# Altium PCB CATS-EUROC.PcbDoc (part 1 of 2)
Units mm, origin at the board's own origin, x right, y up, seen from the top; angles counter-clockwise.
Board outline 100 x 33 mm, 4 copper layers (Top Layer, Mid Layer 1, Mid Layer 2, Bottom Layer), stack 1.57 mm thick; 164 components, 113 nets, 632 pads, 413 vias.
Unrouted connection lines stored in the file: 41.
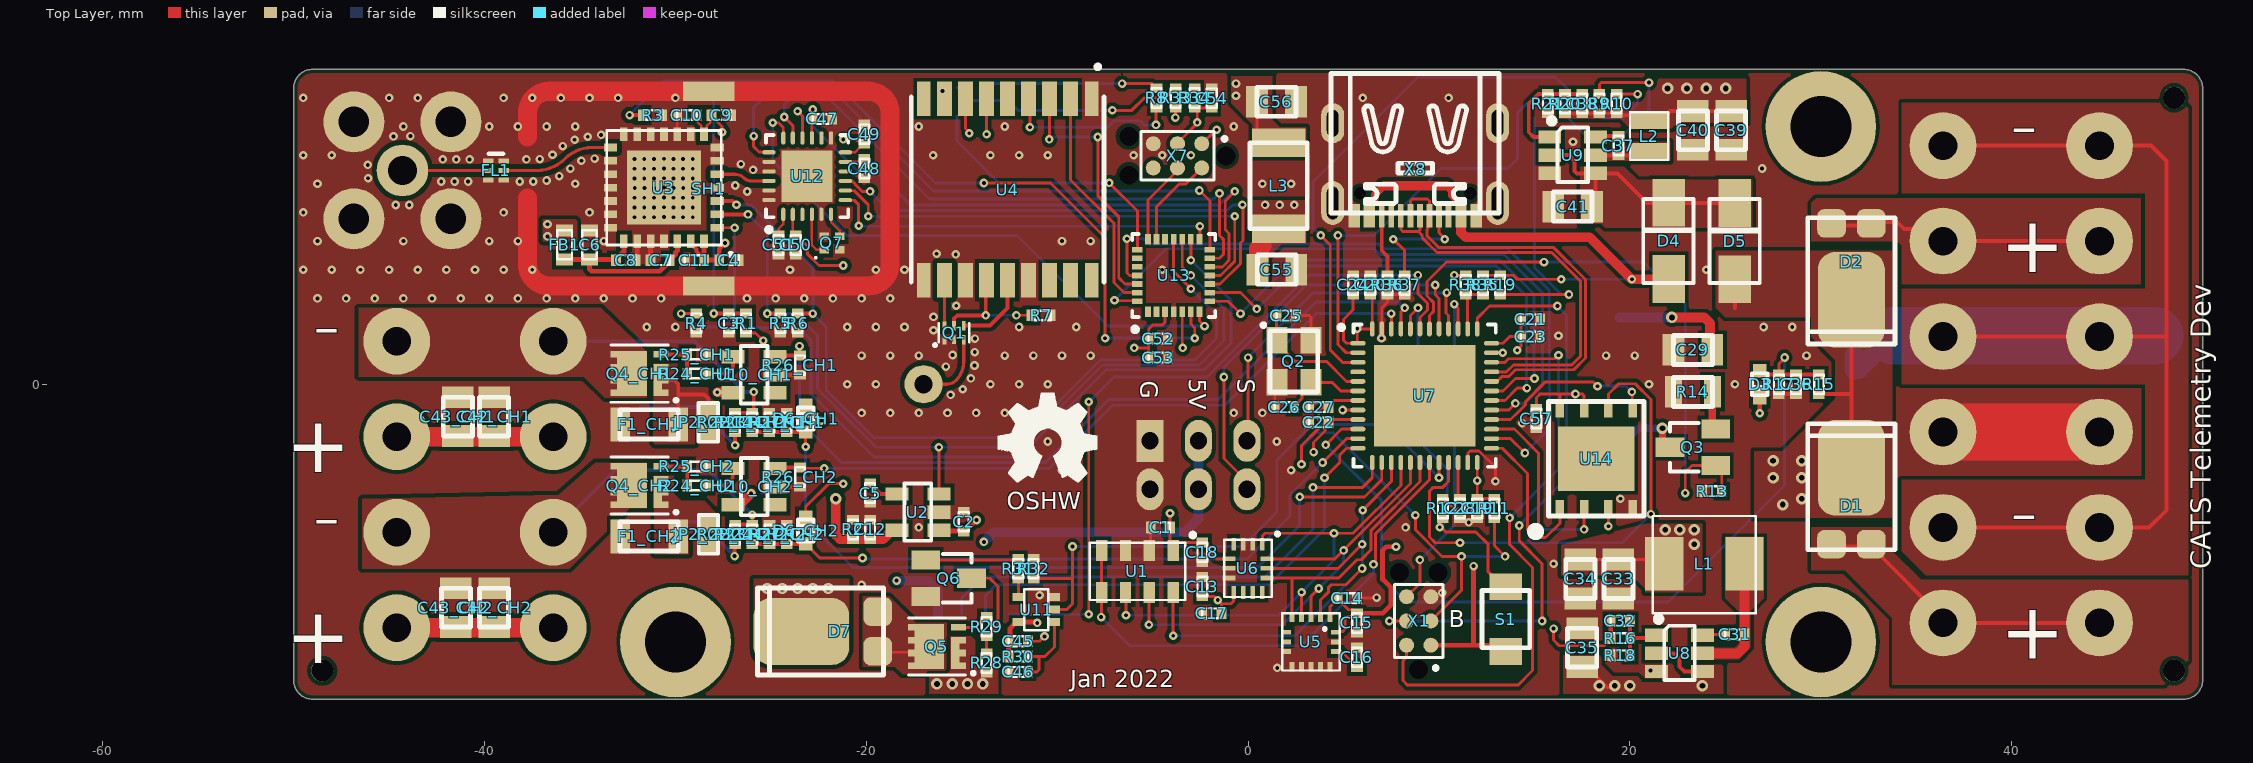
[diagram p0: Top Layer view]
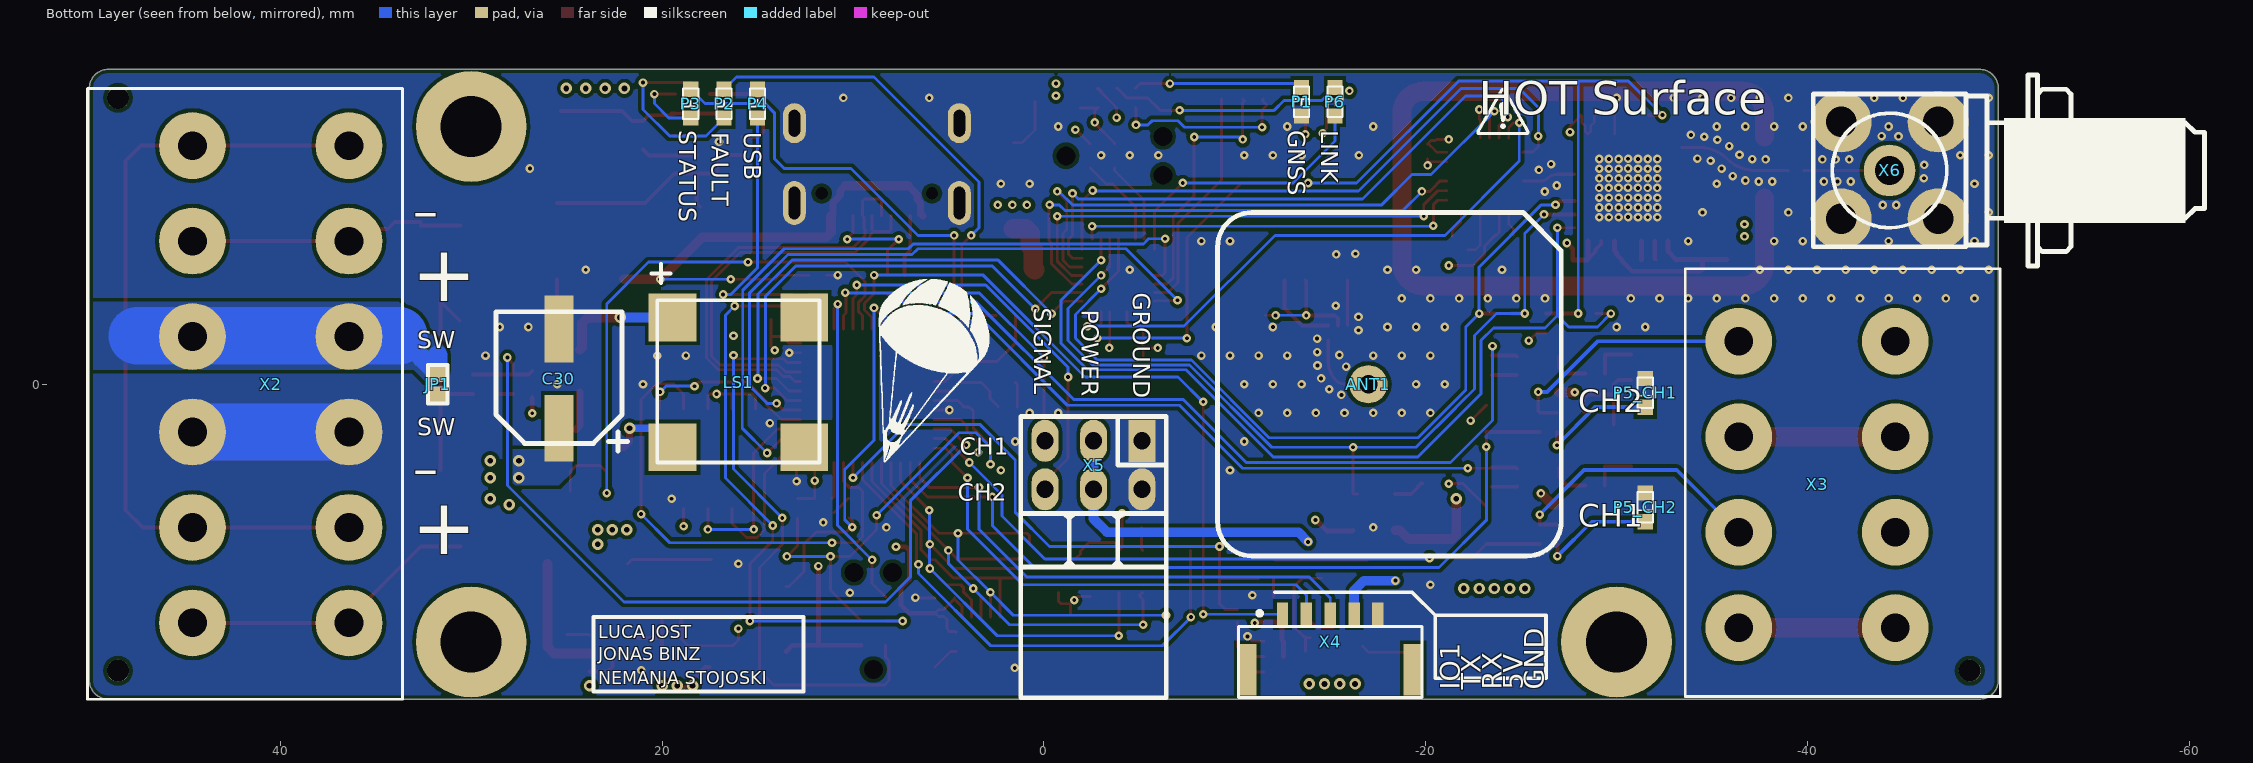
[diagram p1: Bottom Layer view, seen from below]
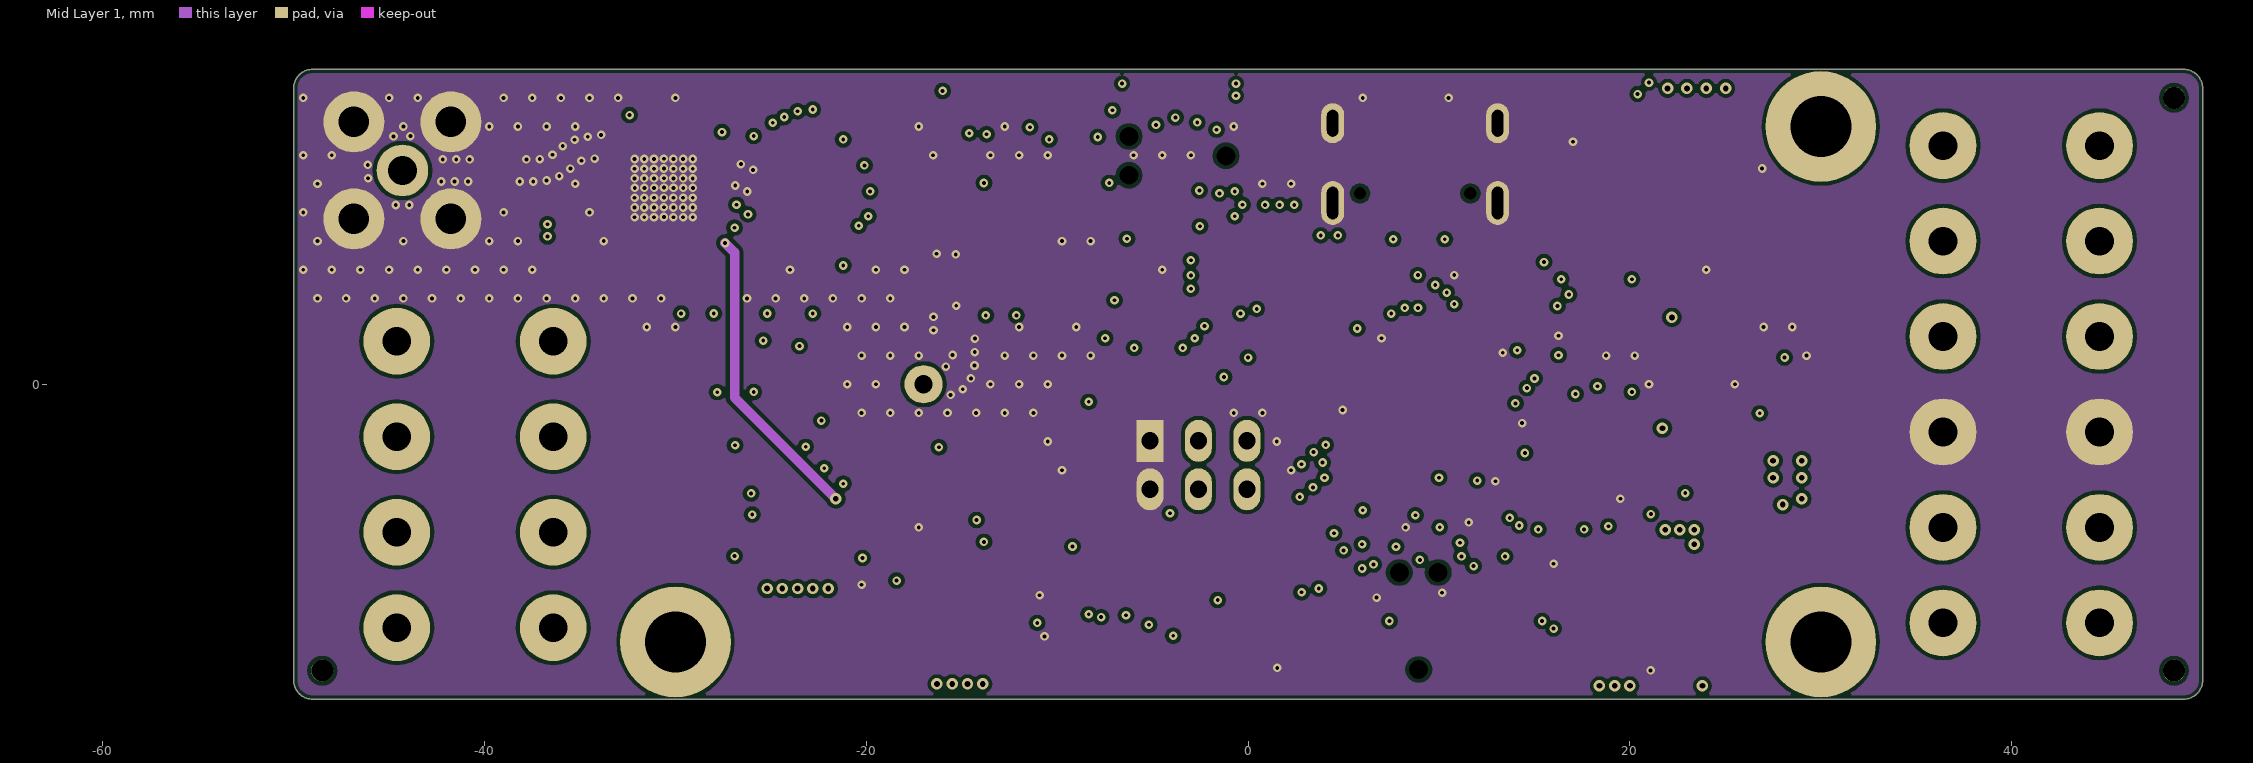
[diagram p2: Mid Layer 1]
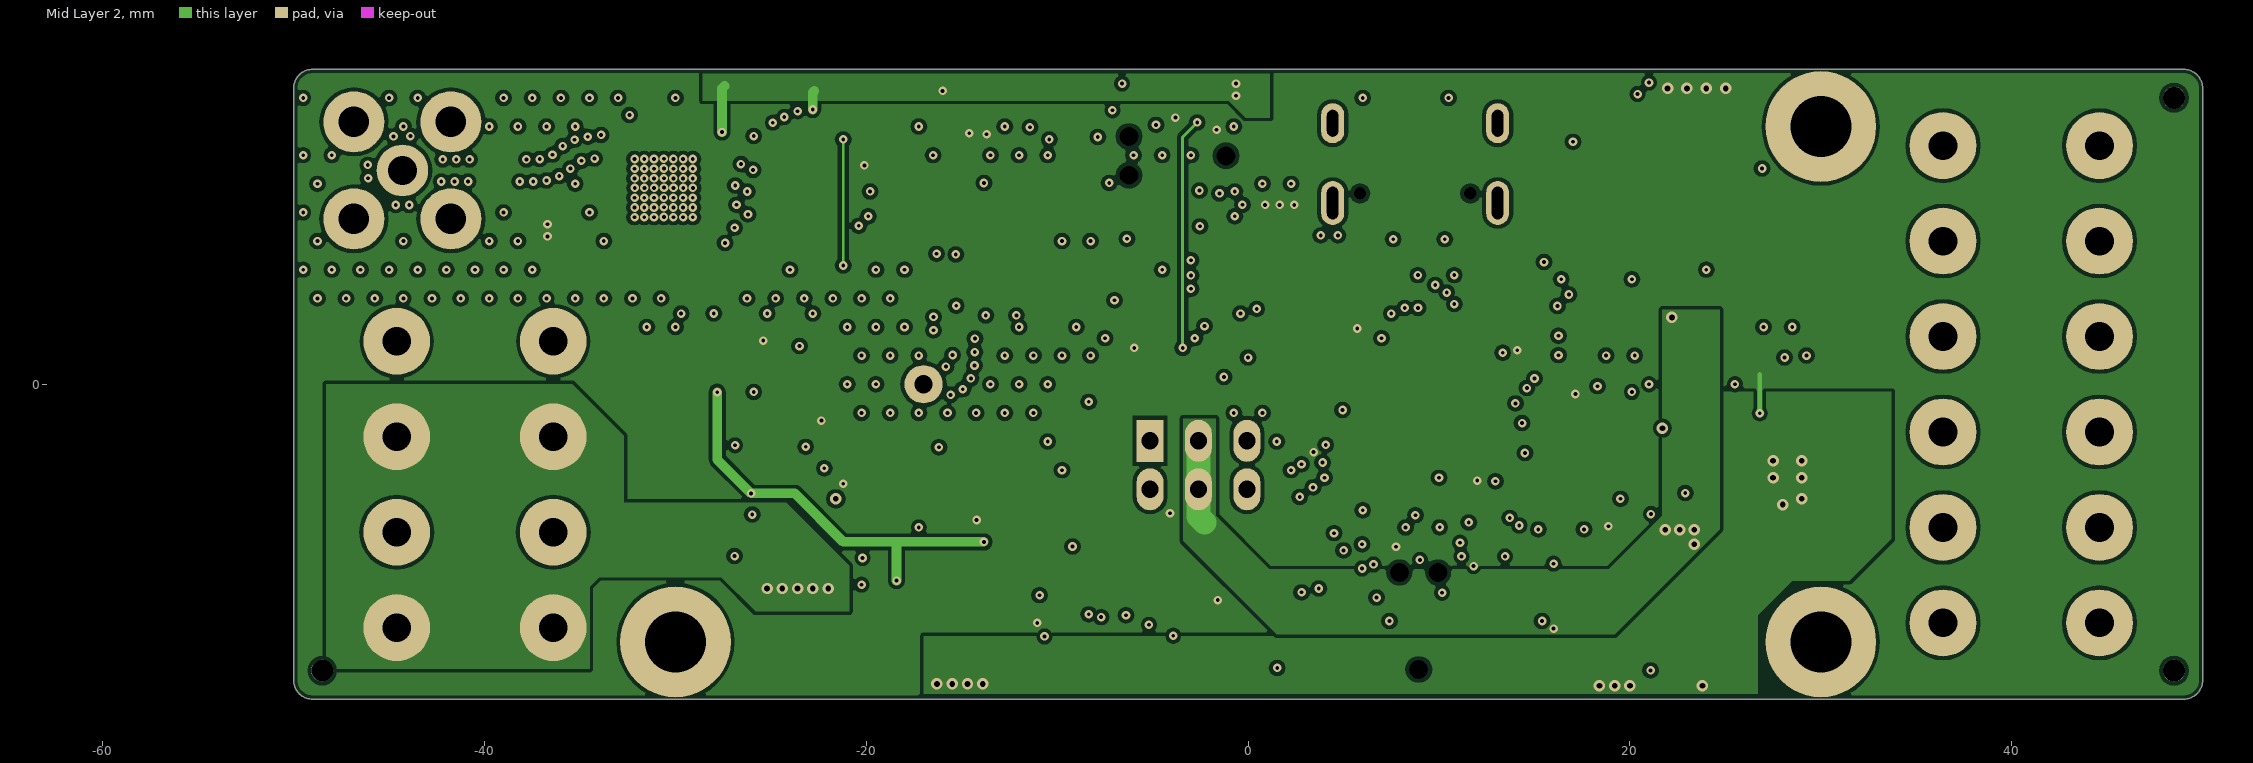
[diagram p3: Mid Layer 2]
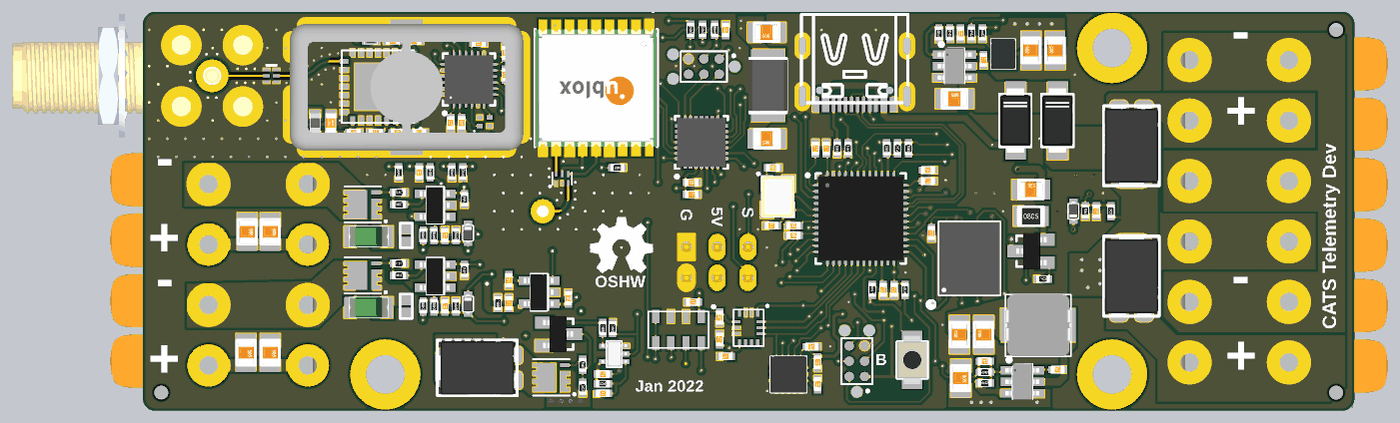
[diagram p5: 3D render of the assembled board from above, using the file's embedded part models]
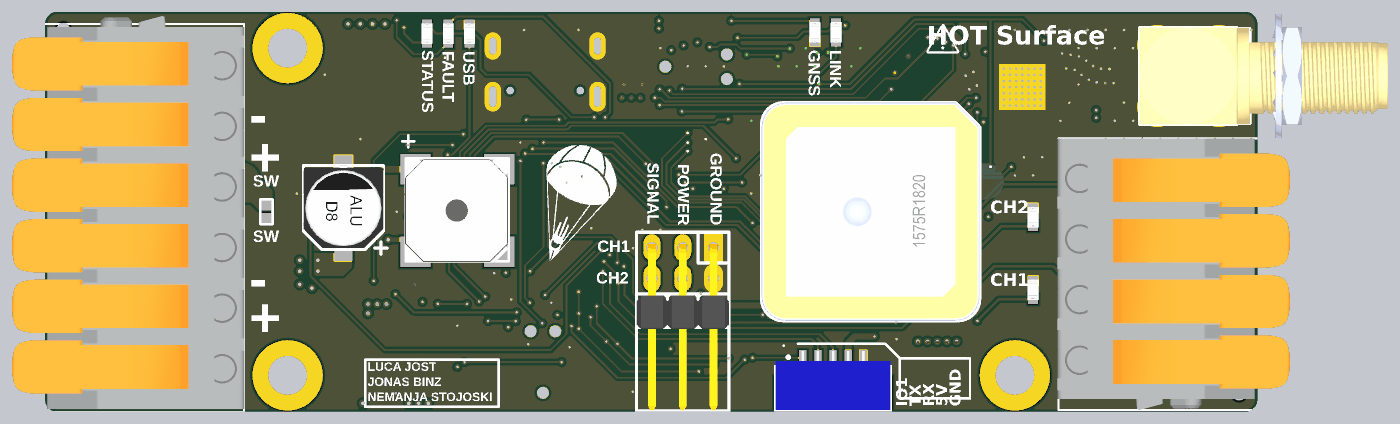
[diagram p6: 3D render of the assembled board from below, using the file's embedded part models]

## Layer stack, top to bottom
Top Solder: solder mask 0.0127, Solder Resist, Dk 3.8
Top Layer: signal copper 0.035
Dielectric 1: prepreg 0.1, 2313, Dk 4.05
Mid Layer 1: signal copper 0.0175
Core: core 1.265, FR-4, Dk 4.5
Mid Layer 2: signal copper 0.0175
Dielectric 2: prepreg 0.1, 2313, Dk 4.05
Bottom Layer: signal copper 0.035
Bottom Solder: solder mask 0.0127, Solder Resist, Dk 3.8

## Board outline
-49,-16.5 cw(c-49,-15.5) -50,-15.5 -50,15.5 cw(c-49,15.5) -49,16.5 49,16.5 cw(c49,15.5) 50,15.5 50,-15.5 cw(c49,-15.5) 49,-16.5

## Design rules (kind name [scope] priority, off if disabled: settings)
BoardOutlineClearance [All] p1: gap=0.2 ignorepadtopadclearanceinfootprint=FALSE
Clearance Polygon [InPolygon] p1: gap=0.2 ignorepadtopadclearanceinfootprint=FALSE
Clearance [All] p2: gap=0.102 ignorepadtopadclearanceinfootprint=FALSE except(0.127: Arc-Via Track-Via SMDPad-Via THPad-Via Via-Via Via-Fill Via-Poly Via-Region Via-Text; 0.25: Arc-Hole Track-Hole SMDPad-Hole THPad-Hole Via-Hole Fill-Hole Poly-Hole Region-Hole Text-Hole)
ComponentClearance [All] p1: gap=0.102 collisioncheckmode=3 verticalgap=0.102 showdistances=TRUE
DiffPairsRouting [All] p1: maxlimit=0.102 minlimit=0.102 mostfreqgap=0.102 toplayer_minwidth=0.102 toplayer_maxwidth=1816.048 toplayer_prefwidth=0.102 midlayer1_minwidth=0.102 midlayer1_maxwidth=1816.048 midlayer1_prefwidth=0.102 midlayer2_minwidth=0.102 midlayer2_maxwidth=1816.048 midlayer2_prefwidth=0.102 bottomlayer_minwidth=0.102 bottomlayer_maxwidth=1816.048 bottomlayer_prefwidth=0.102 maxuncoupledlength=12.7
Height [All] p1: minheight=0 maxheight=1816.048 prefheight=12.7
HoleSize [All] p1: absolutevalues=TRUE maxlimit=6.3 minlimit=0.2 maxpercent=80.000 minpercent=20.000
HoleToHoleClearance [All] p1: gap=0.25 allowstackedmicrovias=FALSE
MaxMinImpedance "Schematic Impedance Constraint" [InNetClass('RF-Line 50')] p1: minimum=50,00 maximum=50,00
MinimumAnnularRing [All] p1: minimumring=0.076
MinimumSolderMaskSliver [All] p1: minsoldermaskwidth=0
PlaneClearance [All] p1: clearance=0.102
PlaneConnect PlaneConnectPowerPads [InPadClass('PowerPads')] p1: planeconnectstyle=Direct reliefexpansion=0.508 reliefentries=4 reliefconductorwidth=0.254 reliefairgap=0.254
PlaneConnect [All] p2: pad.planeconnectstyle=Relief pad.reliefexpansion=0.3 pad.reliefentries=4 pad.reliefconductorwidth=0.102 pad.reliefairgap=0.102 via.planeconnectstyle=Direct via.reliefexpansion=0.3 via.reliefentries=4 via.reliefconductorwidth=0.127 via.reliefairgap=0.127
PolygonConnect PolygonConnectPowerPads [All vs (InPadClass('PowerPads'))] p1: connectstyle=Direct reliefconductorwidth=0.254 reliefentries=4 polygonreliefangle="90 Angle" airgapwidth=0.254
PolygonConnect [All] p2: connectstyle=Direct reliefconductorwidth=0.102 reliefentries=4 polygonreliefangle="90 Angle" airgapwidth=0.102
RoomDefinition CH2 [InComponentClass('CH2')] p1: confinementstyle=ConfineIn formatcopy=TRUE lockcomponents=FALSE outline -43.175,-13.814 -22.5,-13.814 -22.5,-3.564 -43.175,-3.564
RoomDefinition CH1 [InComponentClass('CH1')] p2: confinementstyle=ConfineIn formatcopy=TRUE lockcomponents=FALSE outline -43.176,-3.556 -22.4,-3.556 -22.4,2.3 -43.176,2.3
RoutingVias [All] p1: holewidth=0.2 width=0.45 viastyle="Through Hole" minholewidth=0.2 minwidth=0.45 maxholewidth=6.3 maxwidth=6.55
SilkToSilkClearance [All] p1: silktosilkclearance=0
SilkToSolderMaskClearance [IsPad] p1: minsilkscreentomaskgap=0 clearancetoexposedcopper=TRUE
SolderMaskExpansion [All] p1: expansion=0.075
Width [All] p1: maxlimit=1816.048 minlimit=0.102 preferedwidth=0.102
20 further rules are at their usual default settings.

## Classes and differential pairs
channel class CATS-EUROC-Pyro: CH1 CH2
net class V_PYRO[1..2]: V_PYRO1 V_PYRO2
net class "RF-Line 50": NetANT1_1 NetFL1_2 NetFL1_5 NetQ1_6 NetU3_5
net class PYRO[1..2]: PYRO1 PYRO2
net class PL[1..2]: PL1 PL2
net class PH[1..2]: PH2
component class U_RF: C55 C56 L3 SH1
component class U_Radio: C47 C48 C49 C50 C51 Q7 U12
component class U_MCU: C52 C53 C54 P6 R33 R34 U13 X7
component class U_GNSS: ANT1 P1 Q1 R7 R8 U4
component class U_Frontend: C2 C3 C4 C5 C6 C7 C8 C9 C10 C11 C12 FB1 FL1 R1 R2 R3 R4 R5 R6 U2 U3
component class U_CATS-EUROC-USB: R35 R36 R37 R38 X8
component class U_CATS-EUROC-Storage: C57 U14
component class U_CATS-EUROC-Pyro_Enable: C45 C46 D7 Q5 Q6 R28 R29 R30 R31 R32 U11
component class U_CATS-EUROC-PM: C30 C31 C32 C33 C34 C35 C36 C37 C38 C39 C40 C41 D1 D2 D3 D4 D5 L1 L2 P4 R15 R16 R17 R18 R19 R20 R21 U8 U9
component class U_CATS-EUROC-MCU: C19 C20 C21 C22 C23 C24 C25 C26 C27 C28 C29 LS1 P2 P3 Q2 Q3 R9 R10 R11 R12 R13 R14 S1 U7 X1
component class U_CATS-EUROC-IMU: C13 C14 C15 C16 C17 C18 U5 U6
component class U_CATS-EUROC-Baro: C1 U1
component class CH2: C42_CH2 C43_CH2 C44_CH2 D6_CH2 F1_CH2 JP2_CH2 P5_CH2 Q4_CH2 R22_CH2 R23_CH2 R24_CH2 R25_CH2 R26_CH2 R27_CH2 U10_CH2
component class CH1: C42_CH1 C43_CH1 C44_CH1 D6_CH1 F1_CH1 JP2_CH1 P5_CH1 Q4_CH1 R22_CH1 R23_CH1 R24_CH1 R25_CH1 R26_CH1 R27_CH1 U10_CH1
component class CATS-EUROC-Overview: JP1 X2 X3 X4 X5 X6
differential pair USB: +USB_P -USB_N

## Components (designator, comment, footprint, x,y, rotation, side; value= is the part's Value field where it differs from the comment)
ANT1 "ANT-GNSS" "THT Antenna GNSS 18x18" -18.1,0 r90 bottom locked
C1 "100nF" "SMD Keramikkondensator 0402" -4.6,-7.5 r0 top
C2 "100nF" "SMD Keramikkondensator 0402" -14.9,-7.2 r270 top
C3 "100nF" "SMD Keramikkondensator 0402" -27.2,3.2 r90 top
C4 "100nF" "SMD Keramikkondensator 0402" -27.2,6.5 r180 top
C5 "10nF" "SMD Keramikkondensator 0402" -19.8,-5.7 r90 top
C6 "10uF" "SMD Keramikkondensator 0603" -34.5,7.3 r270 top
C7 "10pF" "SMD Keramikkondensator 0402" -30.8,6.5 r0 top
C8 "10pF" "SMD Keramikkondensator 0402" -32.6,6.5 r180 top
C9 "100nF" "SMD Keramikkondensator 0402" -27.6,14.1 r180 top
C10 "10pF" "SMD Keramikkondensator 0402" -29.4,14.1 r0 top
C11 "100nF" "SMD Keramikkondensator 0402" -29,6.5 r0 top
C12 "100nF" "SMD Keramikkondensator 0402" -19.8,-7.6 r270 top
C13 "100nF" "SMD Keramikkondensator 0402" -2.4,-10.6 r270 top
C14 "2.2uF" "SMD Keramikkondensator 0402" 5.2,-11.2 r180 top
C15 "10nF" "SMD Keramikkondensator 0402" 5.7,-12.5 r90 top
C16 "470nF" "SMD Keramikkondensator 0402" 5.7,-14.3 r270 top
C17 "100nF" "SMD Keramikkondensator 0402" -1.9,-12 r0 top
C18 "100nF" "SMD Keramikkondensator 0402" -2.4,-8.8 r90 top
C19 "1uF" "SMD Keramikkondensator 0402" 12,-6.5 r90 top
C20 "100nF" "SMD Keramikkondensator 0402" 6.4,5.2 r270 top
C21 "4.7uF" "SMD Keramikkondensator 0402" 14.8,3.4 r180 top
C22 "100nF" "SMD Keramikkondensator 0402" 3.7,-2 r0 top
C23 "100nF" "SMD Keramikkondensator 0402" 14.8,2.5 r180 top
C24 "100nF" "SMD Keramikkondensator 0402" 5.5,5.2 r270 top
C25 "10pF" "SMD Keramikkondensator 0402" 2,3.6 r180 top
C26 "10pF" "SMD Keramikkondensator 0402" 1.9,-1.2 r0 top
C27 "100nF" "SMD Keramikkondensator 0402" 3.7,-1.2 r0 top
C28 "4.7uF" "SMD Keramikkondensator 0402" 11.1,-6.5 r90 top
C29 "22uF" "SMD Keramikkondensator 0805" 23.3,1.8 r0 top
C30 "100uF / 35V" "SMD Elko 6.3x7.7" 25.4,0.3 r270 bottom
C31 "100nF" "SMD Keramikkondensator 0402" 25.5,-13.1 r0 top
C32 "47pF" "SMD Keramikkondensator 0402" 19.5,-12.4 r180 top
C33 "22uF" "SMD Keramikkondensator 0805" 19.4,-10.2 r90 top
C34 "22uF" "SMD Keramikkondensator 0805" 17.4,-10.2 r90 top
C35 "22uF" "SMD Keramikkondensator 0805" 17.5,-13.8 r270 top
C36 "10nF" "SMD Keramikkondensator 0402" 28.7,0 r90 top
C37 "100nF" "SMD Keramikkondensator 0402" 19.4,12.5 r270 top
C38 "47pF" "SMD Keramikkondensator 0402" 17.5,14.7 r270 top
C39 "22uF" "SMD Keramikkondensator 0805" 25.3,13.3 r90 top
C40 "22uF" "SMD Keramikkondensator 0805" 23.3,13.3 r90 top
C41 "22uF" "SMD Keramikkondensator 0805" 17,9.3 r0 top
C42_CH1 "22uF" "SMD Keramikkondensator 0805" -39.5,-1.7 r270 top (schematic designator C42)
C42_CH2 "22uF" "SMD Keramikkondensator 0805" -39.5,-11.7 r270 top (schematic designator C42)
C43_CH1 "22uF" "SMD Keramikkondensator 0805" -41.4,-1.7 r270 top (schematic designator C43)
C43_CH2 "22uF" "SMD Keramikkondensator 0805" -41.5,-11.7 r270 top (schematic designator C43)
C44_CH1 "10nF" "SMD Keramikkondensator 0402" -25.076,-2 r270 top (schematic designator C44)
C44_CH2 "10nF" "SMD Keramikkondensator 0402" -25.075,-7.864 r270 top (schematic designator C44)
C45 "100nF" "SMD Keramikkondensator 0402" -12.039,-13.463 r180 top
C46 "4.7uF" "SMD Keramikkondensator 0402" -12.039,-15.063 r0 top
C47 "100nF" "SMD Keramikkondensator 0402" -22.3,13.9 r180 top
C48 "100nF" "SMD Keramikkondensator 0402" -20.1,11.3 r90 top
C49 "10nF" "SMD Keramikkondensator 0402" -20.1,13.1 r270 top
C50 "470nF" "SMD Keramikkondensator 0402" -23.7,7.3 r90 top
C51 "10nF" "SMD Keramikkondensator 0402" -24.6,7.3 r90 top
C52 "4.7uF" "SMD Keramikkondensator 0402" -4.712,2.393 r180 top
C53 "100nF" "SMD Keramikkondensator 0402" -4.7,1.4 r180 top
C54 "100nF" "SMD Keramikkondensator 0402" -1.905,14.986 r270 top
C55 "22nF" "SMD Keramikkondensator 0805" 1.5,6 r180 top
C56 "22nF" "SMD Keramikkondensator 0805" 1.484,14.8 r180 top
C57 "100nF" "SMD Keramikkondensator 0402" 15.1,-1.8 r90 top
D1 "SL1045" "SMD DIODE TO-277" 31.6,-5.375 r270 top
D2 "SL1045" "SMD DIODE TO-277" 31.6,5.425 r90 top
D3 "MSK4005" "SMD DIODE SOD-523" 26.8,0 r90 top
D4 "SL34F" "SMD DIODE SMAF" 22.025,7.511 r270 top
D5 "SL34F" "SMD DIODE SMAF" 25.5,7.5 r270 top
D6_CH1 "MSK4005" "SMD DIODE SOD-523" -23.176,-1.8 r270 top (schematic designator D6)
D6_CH2 "MSK4005" "SMD DIODE SOD-523" -23.175,-7.664 r270 top (schematic designator D6)
D7 "SL1045" "SMD DIODE TO-277" -22.4,-12.95 r0 top
F1_CH1 "8A/100ms" "SMD PPTC-Fuse 1206" -31.376,-2.1 r180 top (schematic designator F1)
F1_CH2 "8A/100ms" "SMD PPTC-Fuse 1206" -31.375,-7.964 r180 top (schematic designator F1)
FB1 "BLM18KG102SN1D" "SMD Ferrite Bead 0603" -35.8,7.3 r90 top
FL1 "2450LP14A100T" "SMD Filter 2450LP14A100T" -39.4,11.2 r180 top
JP1 "Jumper" "SMD Solder Jumper 1x2mm" 31.75,0 r90 bottom
JP2_CH1 "Jumper" "SMD Solder Jumper 1x2mm" -28.276,-2 r270 top (schematic designator JP2)
JP2_CH2 "Jumper" "SMD Solder Jumper 1x2mm" -28.275,-7.864 r270 top (schematic designator JP2)
L1 "4.7µH" "SMD Inductor 5.5x5.2x3" 23.9,-9.4 r180 top
L2 "3.3µH" "SMD Inductor 2x2.5x1.2" 21,13 r90 top
L3 "100µH" "SMD Inductor 1812" 1.6,10.4 r90 top
LS1 "Buzzer" "SMD BUZZER CMT-8504" 16,0.1 r180 bottom
P1 "LED" "SMD LED 0603" -13.5,14.75 r90 bottom
P2 "LED" "SMD LED 0603" 16.75,14.75 r270 bottom
P3 "LED" "SMD LED 0603" 18.5,14.75 r270 bottom
P4 "LED" "SMD LED 0603" 15,14.75 r270 bottom
P5_CH1 "LED" "SMD LED 0603" -31.5,-0.4 r270 bottom (schematic designator P5)
P5_CH2 "LED" "SMD LED 0603" -31.5,-6.4 r270 bottom (schematic designator P5)
P6 "LED" "SMD LED 0603" -15.25,14.75 r90 bottom
Q1 "AW5105DNR" "SMD LNA AW5105DNR" -15.4,2.7 r0 top
Q2 "8MHz" "SMD Crystal 3.2X2.5X0.8" 2.4,1.2 r270 top
Q3 "2N7002" "SMD MOSFET SOT-23" 23.3,-3.3 r0 top
Q4_CH1 "AON7544" "SMD MOSFET DFN 3x3 EP" -31.876,0.559 r90 top (schematic designator Q4)
Q4_CH2 "AON7544" "SMD MOSFET DFN 3x3 EP" -31.875,-5.305 r90 top (schematic designator Q4)
Q5 "G16P03" "SMD MOSFET DFN 3x3 EP" -16.3,-13.74 r90 top
Q6 "PMBT3904" "SMD TRANSISTOR SOT-23" -15.739,-10.163 r180 top
Q7 "52MHz" "SMD Crystal 1.2X1.0X0.35" -21.8,7.4 r0 top
R1 "10k" "SMD Widerstand 0402" -26.3,3.2 r270 top
R2 "10k" "SMD Widerstand 0402" -20.7,-7.6 r270 top
R3 "10k" "SMD Ferrite Bead 0402" -31.2,14.1 r0 top
R4 "10k" "SMD Widerstand 0402" -28.9,3.2 r90 top
R5 "10k" "SMD Widerstand 0402" -24.5,3.2 r90 top
R6 "10k" "SMD Widerstand 0402" -23.6,3.2 r90 top
R7 "10k" "SMD Widerstand 0402" -10.846,3.607 r180 top
R8 "1.0k" "SMD Widerstand 0402" -4.8,15 r270 top
R9 "1.0k" "SMD Widerstand 0402" 18.4,14.7 r270 top
R10 "1.0k" "SMD Widerstand 0402" 19.3,14.7 r270 top
R11 "10k" "SMD Widerstand 0402" 12.9,-6.5 r90 top
R12 "10k" "SMD Widerstand 0402" 10.2,-6.5 r270 top
R13 "10k" "SMD Widerstand 0402" 24.3,-5.6 r0 top
R14 "100" "SMD Widerstand 0805" 23.3,-0.4 r0 top
R15 "91k" "SMD Widerstand 0402" 29.9,0 r270 top
R16 "147k" "SMD Widerstand 0402" 19.5,-13.3 r180 top
R17 "10k" "SMD Widerstand 0402" 27.8,0 r90 top
R18 "20k" "SMD Widerstand 0402" 19.5,-14.2 r0 top
R19 "1.0k" "SMD Widerstand 0402" 13.2,5.2 r90 top
R20 "91k" "SMD Widerstand 0402" 16.6,14.7 r270 top
R21 "20k" "SMD Widerstand 0402" 15.7,14.7 r90 top
R22_CH1 "36k" "SMD Widerstand 0402" -26.876,-2 r90 top (schematic designator R22)
R22_CH2 "36k" "SMD Widerstand 0402" -26.875,-7.864 r90 top (schematic designator R22)
R23_CH1 "91k" "SMD Widerstand 0402" -25.976,-2 r90 top (schematic designator R23)
R23_CH2 "91k" "SMD Widerstand 0402" -25.975,-7.864 r90 top (schematic designator R23)
R24_CH1 "270" "SMD Widerstand 0402" -28.876,0.559 r0 top (schematic designator R24)
R24_CH2 "270" "SMD Widerstand 0402" -28.875,-5.305 r0 top (schematic designator R24)